# Altium PCB 四层板(完成).PcbDoc (part 3 of 3)
Units mil, origin at the board's own origin, x right, y up, seen from the top; angles counter-clockwise.
Board outline 3790.28 x 1642.89 mil, 4 copper layers (Top Layer, GND, PWR, Bottom Layer), stack 13.98 mil thick; 140 components, 140 nets, 625 pads, 276 vias.
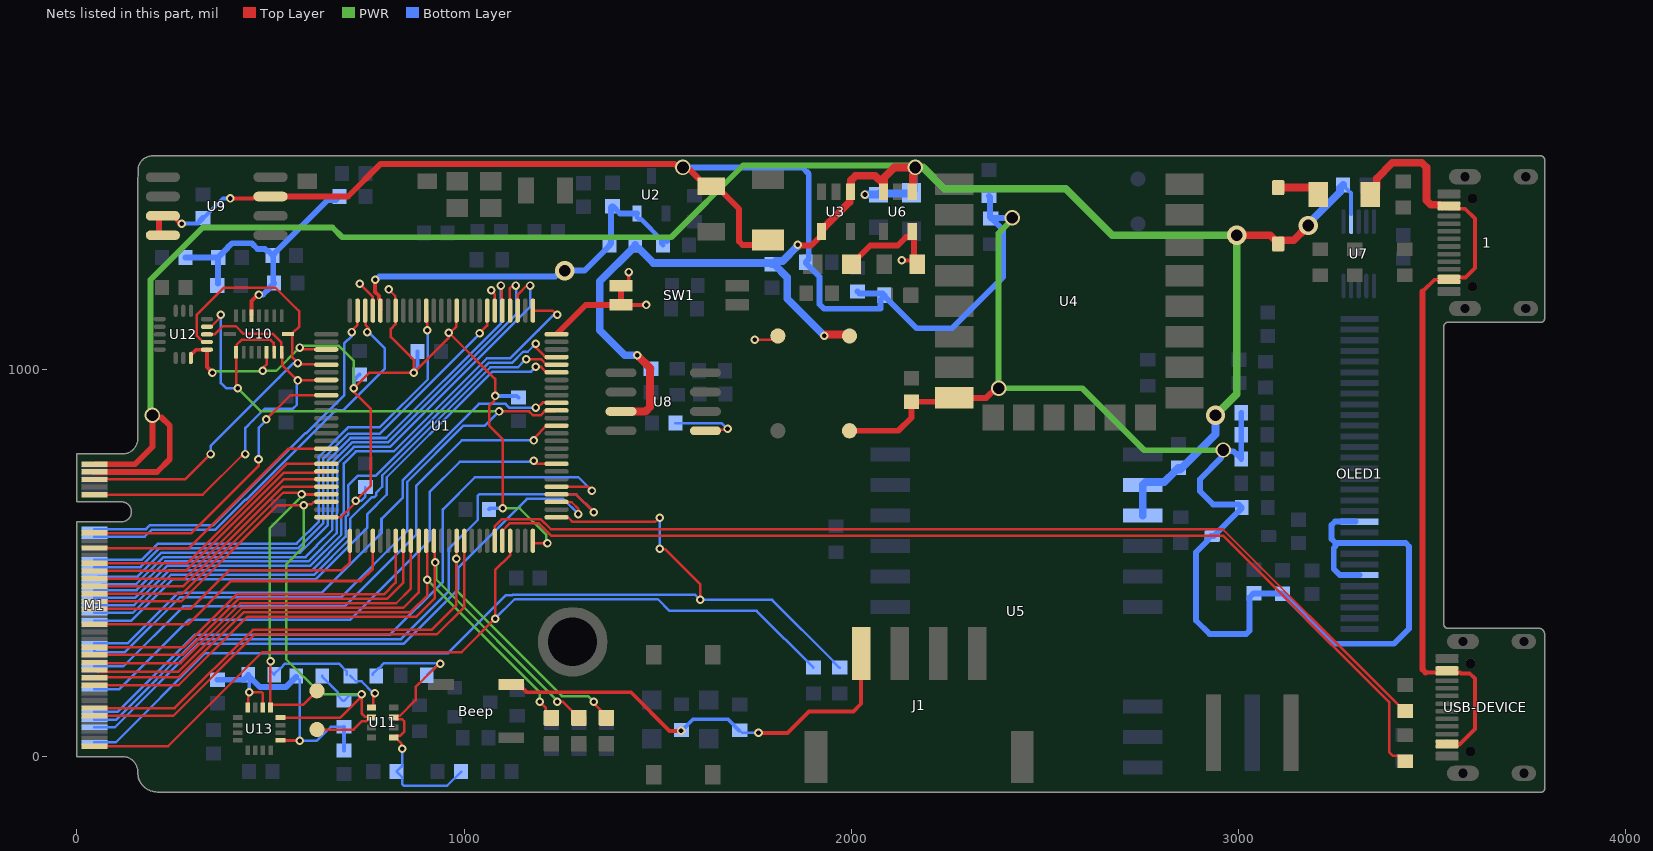
[diagram p5: the nets of this part, all layers, seen from the top]

## Via types
v1: diameter 22, hole 12, Top Layer to Bottom Layer, tented both sides, 195 vias
v2: diameter 22, hole 12, Top Layer to Bottom Layer, 71 vias
v3: diameter 40, hole 30, Top Layer to Bottom Layer, tented both sides, 6 vias
v4: diameter 50, hole 30, Top Layer to Bottom Layer, tented both sides, 4 vias

## Nets (pads, with @x,y where several pads share a name; then routed paths per layer and width w, separated by ;. In a path a pad name is that pad's centre, name@x,y a point inside that pad or via, vN(x,y) a via of type N, cw(c..) or ccw(c..) an arc to the next point about the centre after c; other vN are vias at no path point) (continued)
PB5: M1.28 U1.91 | length 1507.6
  Top Layer w6.5: v2(1185.28,901.44) 1190.28,901.44 1203.49,914.65 1237.77,914.65 U1.91@1238.78,913.63
  Bottom Layer w6.5: M1.28@45.28,292.49 130.66,292.49 261.11,422.94 631.78,422.94 786.78,577.94 786.78,614.15 841.78,669.15 841.78,714.1 994.14,866.46 1038.37,910.69 1107.4,910.69 1117.57,900.51 1184.35,900.51 v2(1185.28,901.44)
PB8: M1.34 U1.95 | length 1517.4
  Top Layer w6.5: v2(1185.28,1006.44) 1198.78,1006.44 1212.85,992.37 U1.95@1238.78,992.37
  Bottom Layer w6.5: M1.34@45.28,351.54 140.92,351.54 247.32,457.94 616.78,457.94 750.28,591.44 750.28,626.44 800.28,676.44 800.28,721.39 1018.16,939.27 1072.92,994.02 1172.86,994.02 v2(1185.28,1006.44)
PB9: M1.36 U1.96 | length 1521.6
  Top Layer w6.5: v2(1160.36,1026.36) 1198.55,1026.36 1212.86,1012.05 U1.96@1238.78,1012.05
  Bottom Layer w6.5: M1.36@45.28,371.23 144.34,371.23 242.55,469.44 612.02,469.44 706.03,563.45 706.03,614.41 761.18,669.57 767.99,669.57 772.82,674.4 772.82,681.2 788.78,697.16 788.78,726.15 1068.15,1005.52 1139.36,1005.52 1157.59,1023.75 1157.74,1023.75 v2(1160.36,1026.36)
PB12: M1.37 U1.51 | length 765.7
  Top Layer w6.5: M1.37@45.28,381.13 45.59,381.44 293.91,381.44 393.91,481.44 685.28,481.44 705.32,501.48 U1.51@705.32,557.33
PB15: M1.33 U1.54 | length 851
  Top Layer w6.5: M1.33@45.28,341.76 286.76,341.76 398.56,453.56 733.08,453.56 764.53,485.01 764.53,557.17 U1.54@764.37,557.33
PC0: M1.50 U1.15 | length 1330.8
  Top Layer w6.5: U1.15@902.17,1151.81 905.28,1148.7 v2(905.28,1101.44)
  Bottom Layer w6.5: M1.50@45.28,509.02 168.29,509.02 209.21,549.94 567.52,549.94 625.28,607.7 625.28,774.41 696.68,845.81 701.8,850.92 782.84,850.92 906.52,974.61 906.52,1100.2 v2(905.28,1101.44)
PC5: M1.57 U1.34 | length 806.9
  Top Layer w6.5: M1.57@45.28,577.98 46.82,576.44 295.28,576.44 469.61,750.77 469.61,767.11 v1(469.17,767.55) ; v2(488.78,870.69) 551.4,933.31 U1.34@644.3,933.31
  Bottom Layer w6.5: v1(469.17,767.55) 470.28,768.66 470.28,849.44 488.78,867.94 v2(488.78,870.69)
PC8: G.1 M1.11 U1.65 | length 1824.7
  Top Layer w6.5: M1.11@45.28,125.22 252.74,125.22 454.58,327.06 915.54,327.06 980.28,391.8 980.28,506.44 980.6,506.76 980.6,510.57 v2(980.28,510.89) ; v2@980.6,510.89 980.6,557.01 U1.65@980.91,557.33 ; v1(1335.28,141.44) 1335.28,137.52 1370.28,102.52 G.1@1367.67,99.91
  PWR w6.5: v2(980.28,510.89) 980.28,428.66 1252.5,156.44 1320.28,156.44 v1(1335.28,141.44)
PC9: M1.9 U1.66 | length 1242.4
  Top Layer w6.5: M1.9@45.28,105.54 249.36,105.57 459.35,315.56 929.4,315.56 1000.6,386.76 U1.66@1000.6,557.33
PC10: M1.6 U1.78 | length 1620.6
  Top Layer w6.5: U1.78@1238.78,657.72 1239.55,656.95 1278.09,656.95 1295.28,639.76 v2(1295.28,626.44)
  Bottom Layer w6.5: M1.6@45.28,75.95 98.53,75.95 314.52,291.94 844.52,291.94 985.28,432.7 985.28,488.66 1162.31,665.69 1256.03,665.69 v2(1295.28,626.44)
PC11: M1.8 U1.79 | length 1766.1
  Top Layer w6.5: U1.79@1238.78,677.4 1289.32,677.4 v2(1335.28,631.44)
  Bottom Layer w6.5: M1.8@45.28,95.64 101.95,95.64 309.75,303.44 837.28,303.44 961.03,427.19 961.03,537.19 1035.28,611.44 1035.28,673.38 1039.09,677.19 1289.53,677.19 v2(1335.28,631.44)
PC12: M1.10 U1.80 | length 1756.1
  Top Layer w6.5: U1.80@1238.78,697.09 1319.63,697.09 v2(1330.28,686.44)
  Bottom Layer w6.5: M1.10@45.28,115.32 105.37,115.32 304.99,314.94 808.78,314.94 945.28,451.44 945.28,638.66 1028.06,721.44 1295.28,721.44 v2(1330.28,686.44)
PC13: M1.48 U1.7 | length 1410.1
  Top Layer w6.5: v2(1040,1093.41) 1040,1093.62 1059.65,1113.27 U1.7@1059.65,1151.81
  Bottom Layer w6.5: M1.48@45.28,489.34 164.87,489.34 213.97,538.44 556.02,538.44 572.28,538.44 636.78,602.94 636.78,769.64 701.45,834.31 782.49,834.31 1040,1091.82 v2(1040,1093.41)
PD2: M1.16 U1.83 | length 1515.6
  Top Layer w6.5: v2(1180.28,763.69) 1180.28,760.69 1184.4,756.57 1238.35,756.57 U1.83@1238.78,756.14
  Bottom Layer w6.5: M1.16@45.28,174.38 110.13,174.38 288.69,352.94 705.32,352.94 910.78,558.4 910.78,683.2 989.02,761.44 1178.03,761.44 v2(1180.28,763.69)
PD7: M1.22 U1.88 | length 1527.9
  Top Layer w6.5: v2(1180.28,816.44) 1180.28,821.99 1212.86,854.57 U1.88@1238.78,854.57
  Bottom Layer w6.5: M1.22@45.28,233.43 120.39,233.43 274.95,387.99 691.58,387.99 876.28,572.69 876.28,698.7 994.02,816.44 v2(1180.28,816.44)
PD10: M1.27 U1.57 | length 955
  Top Layer w6.5: M1.27@45.28,282.7 276.49,282.7 412.85,419.06 792.9,419.06 823.43,449.59 U1.57@823.43,557.33
PD11: M1.25 U1.58 | length 983
  Top Layer w6.5: M1.25@45.28,263.02 273.07,263.02 417.61,407.56 801.4,407.56 843.11,449.27 U1.58@843.11,557.33
PD14: M1.19 R.1 U1.61 | length 1579.4
  Top Layer w6.5: M1.19@45.28,203.96 46.58,205.26 264.1,205.26 431.9,373.06 861.9,373.06 905.28,416.44 v2(905.28,456.44) 905.28,527.2 902.17,530.3 U1.61@902.17,557.33 ; v1(1195.28,141.44) 1211.32,125.4 1211.32,114.29 R.1@1225.7,99.91
  PWR w6.5: v2(905.28,456.44) 1195.28,166.44 v1(1195.28,141.44)
PD15: M1.17 U1.62 Y.1 | length 1685.6
  Top Layer w6.5: M1.17@45.28,184.28 263.01,184.28 440.29,361.56 876.66,361.56 924.53,409.43 924.53,501.44 924.53,554.65 U1.62@921.85,557.33 ; v1(1240.28,141.44) 1255.14,141.44 Y.1@1296.67,99.91
  PWR w6.5: v2(925.28,501.44) 928.1,498.62 928.1,457.36 1240.28,145.18 v1(1240.28,141.44)
PE0: M1.38 U1.97 | length 1567.6
  Top Layer w6.5: v2(1185.28,1066.44) 1185.28,1056.38 1207.27,1034.4 1209.1,1034.4 1211.76,1031.74 U1.97@1238.78,1031.74
  Bottom Layer w6.5: M1.38@45.28,390.91 147.76,390.91 237.79,480.94 607.25,480.94 694.28,567.97 694.28,618.93 701.03,625.68 701.03,701.14 725.09,725.2 771.56,725.2 1063.39,1017.02 1123.79,1017.02 1152.38,1045.61 1164.45,1045.61 v2(1185.28,1066.44)
PE2: M1.40 U1.1 | length 1668.7
  Top Layer w6.5: U1.1@1177.76,1151.81 1228.72,1151.81 1239.09,1141.44 v2(1240.28,1141.44)
  Bottom Layer w6.5: M1.40@45.28,410.6 151.19,410.6 233.03,492.44 602.49,492.44 682.78,572.73 682.78,623.69 689.53,630.44 689.53,757.34 720.5,788.31 818.41,788.31 1058.63,1028.52 1119.03,1028.52 1191.95,1101.44 1192.5,1101.44 1232.5,1141.44 v2(1240.28,1141.44)
PE4: M1.42 U1.3 | length 1670.5
  Top Layer w6.5: U1.3@1138.39,1151.81 1138.77,1152.18 1138.77,1193.06 1163.12,1217.41 1169.37,1217.41 v2(1170.28,1216.5)
  Bottom Layer w6.5: M1.42@45.3,430.22 154.54,430.22 228.26,503.94 597.73,503.94 671.28,577.49 671.28,628.45 672.27,629.45 672.27,756.35 715.74,799.81 808.65,799.81 1170.28,1161.44 v2(1170.28,1216.5)
PE5: M1.44 U1.4 | length 1612.9
  Top Layer w6.5: U1.4@1118.71,1151.81 1117.7,1152.83 1117.7,1208.86 1117.78,1208.86 1125.96,1217.04 1132.58,1217.04 v2(1133.12,1216.5)
  Bottom Layer w6.5: M1.44@65.28,445.16 153.22,445.16 223.5,515.44 590.54,515.44 620.03,544.93 620.03,546.19 659.78,585.94 659.78,633.22 660.28,633.72 660.28,760.62 710.97,811.31 803.89,811.31 1135.28,1142.7 1135.28,1214.34 v2(1133.12,1216.5)
PE6: M1.46 U1.5 | length 1572.3
  Top Layer w6.5: v2(1095.28,1216.5) 1097.89,1213.89 1097.89,1152.95 U1.5@1099.02,1151.81
  Bottom Layer w6.5: M1.46@55.28,464.91 156.71,464.91 218.74,526.94 577.04,526.94 648.28,598.18 648.28,764.88 706.21,822.81 799.12,822.81 1095.28,1118.97 v2(1095.28,1216.5)
PE10: M1.53 U1.41 | length 705.4
  Top Layer w6.5: M1.53@45.28,538.61 289.98,538.61 546.88,795.51 U1.41@644.3,795.51
PE12: M1.49 U1.43 | length 705.4
  Top Layer w6.5: M1.49@45.28,499.24 284.34,499.24 541.24,756.14 U1.43@644.3,756.14
PE15: M1.43 U1.46 | length 705.4
  Top Layer w6.5: M1.43@45.28,440.18 275.28,440.18 531.54,696.44 643.65,696.44 U1.46@644.3,697.09
RB_ENCODE1_TIM5_CH1: M1.56 U1.23 | length 1104.6
  Top Layer w6.5: U1.23@744.69,1151.81 745.71,1150.79 745.71,1114.45 753.72,1106.44 750.28,1103 v2(750.28,1096.44)
  Bottom Layer w6.5: M1.56@45.28,568.08 175.39,568.08 192.87,585.57 356.88,585.57 434.5,663.19 437.03,663.19 668.11,894.27 687.16,894.27 795.28,1002.39 795.28,1054 752.84,1096.44 v2(750.28,1096.44)
RB_ENCODE2_TIM5_CH2: M1.58 U1.24 | length 1021.2
  Top Layer w6.5: v2(710.28,1096.44) 710.28,1099.88 723.99,1113.59 723.99,1150.79 U1.24@725,1151.81
  Bottom Layer w6.5: M1.58@45.28,587.76 178.81,587.76 188.11,597.07 352.11,597.07 590.74,835.69 593.02,835.69 690.28,932.95 690.28,1066.44 710.28,1086.44 v2(710.28,1096.44)
RB_WHELL_SPEED_TIM1_CH4: M1.45 U1.45 | length 705.4
  Top Layer w6.5: M1.45@45.28,459.87 278.71,459.87 535.28,716.44 643.97,716.44 U1.45@644.3,716.77
RF_ENCODE1_TIM4_CH1: M1.23 U1.59 | length 1021.4
  Top Layer w6.5: M1.23@45.28,243.33 47.17,241.44 267.75,241.44 422.37,396.06 824.9,396.06 862.8,433.96 U1.59@862.8,557.33
RF_ENCODE2_TIM4_CH2: M1.21 U1.60 | length 1045.7
  Top Layer w6.5: M1.21@55.28,218.9 261.48,218.9 427.14,384.56 843.4,384.56 882.48,423.64 U1.60@882.48,557.33
RF_WHELL_SPEED_TIM1_CH3: M1.47 U1.44 | length 705.4
  Top Layer w6.5: M1.47@45.28,479.55 280.92,479.55 534.58,733.21 641.05,733.21 U1.44@644.3,736.46
SENSOR_I2C2_SCL: IIC2-CL.1 M1.41 R41.2 R42.2 U1.47 U11.4 U13.1 | length 1813.1
  Top Layer w6.5: M1.41@45.28,420.5 271.87,420.5 532.81,681.44 576.47,681.44 576.47,681 v2(580.28,677.19) ; U13.1@499.14,133.57 499.14,245.3 v1(500.28,246.44) ; U13.1@500.2,126.68 500.2,133.57 583.57,133.57 IIC2-CL.1@622.29,172.29 ; v2@582.4,679.32 584.8,676.92 643.82,676.92 U1.47@644.3,677.4 ; U11.4@761.34,126.66 765.1,130.42 765.1,155.9 770,160.81 770,165 v1@771.42,165
  PWR w6.5: v1@498.9,250.31 497.77,251.44 497.77,588.93 580.28,671.44 v2(580.28,677.19)
  Bottom Layer w6.5: v1@498.9,249.94 498.9,222.27 R42.2@509.51,211.67 509.51,213.63 523.98,228.1 525.95,228.1 537.84,240 676.92,240 696.96,219.96 R41.2@696.96,211.65 ; R41.2@706.46,208.49 720.27,194.68 735.32,194.68 766.5,163.5 v1(769.92,163.5)
SENSOR_I2C2_SDA: IIC2-DA.1 M1.39 R40.2 R43.2 U1.48 U11.3 U13.16 | length 1983.7
  Top Layer w6.5: M1.39@45.28,400.81 269.65,400.81 518.25,649.41 568.03,649.41 568.08,649.45 v2(586.07,649.45) ; U13.16@525.85,101.01 526.35,100.5 619.5,100.5 620,100 680,100 729.94,149.94 729.94,151.57 733.59,155.21 v1@735.21,155.21 ; v2@587.25,646.44 592.25,651.44 605.28,651.44 610.57,656.73 643.31,656.73 U1.48@644.3,657.72 ; IIC2-DA.1@620,70 715,70 736.61,91.61 747.95,91.61 757.4,101.06 U11.3@761.34,101.06 759.06,103.35 743.59,103.35 739.09,107.84 735.28,111.65 735.28,135.21 v1@735.28,155.21 ; 735.21,135.21 v1@735.21,155.21 ; v1(735.21,161.02) v1@735.21,155.21
  PWR w6.5: v2(586.07,649.45) 586.07,542.23 540.28,496.44 540.28,251.44 630.28,161.44 734.79,161.44 v1(735.21,161.02)
  Bottom Layer w6.5: R43.2@633.58,208.51 633.58,206.54 673.38,166.74 673.38,158.61 687.85,144.14 R40.2@689.82,144.14 704.28,158.61 732.79,158.61 v1(735.21,161.02)
SENSOR_SPI1_MISO: M1.26 U1.90 U10.10 U10.15 U12.4 | length 2752.6
  Top Layer w6.5: U12.4@335.99,1110.11 346.23,1110.11 369.12,1133 369.12,1137.73 v1(372.08,1140.69) ; v1(415.28,951.44) 415.28,955.63 411.31,959.6 U10.15@411.31,1044.2 412.98,1045.87 412.98,1064.14 425.28,1076.44 500.28,1076.44 508.06,1068.66 U10.10@508.06,1045.87 ; v2(1090.28,891.44) 1168.06,891.44 1177.31,882.19 1198.25,882.19 1207.5,891.44 1236.28,891.44 U1.90@1238.78,893.94
  PWR w6.5: v1(415.28,951.44) 475.28,891.44 v2(1090.28,891.44)
  Bottom Layer w6.5: M1.26@45.28,272.8 48.14,269.94 124.37,269.94 265.87,411.44 682.5,411.44 853.28,582.22 853.28,709.33 998.9,854.96 1053.8,854.96 v2(1090.28,891.44) ; v1(372.08,1140.69) 372.08,964.64 385.28,951.44 v1(415.28,951.44)
SENSOR_SPI1_MOSI: M1.67 U1.32 U10.9 U12.3 | length 1130.2
  Top Layer w6.5: M1.67@45.28,676.4 325.24,676.4 424.61,775.77 425.41,775.77 431.09,781.44 v1(435.28,781.44) ; U12.3@335.99,1090.42 356,1090.42 364.19,1098.61 377.02,1111.44 410.88,1111.44 430.88,1091.44 506.54,1091.44 528.29,1069.7 528.29,1045.33 U10.9@529.42,1044.2 ; U10.9@530.28,1044.2 530.28,1011.44 v1(570.28,971.44) 570.9,972.06 643.68,972.06 U1.32@644.3,972.68
  Bottom Layer w6.5: v1(435.28,781.44) 435.28,848.66 455.28,868.66 485.31,898.69 558.13,898.69 568.21,908.76 568.21,969.37 v1(570.28,971.44)
SENSOR_SPI1_SCK: M1.71 U1.30 U10.8 U12.2 | length 1294.8
  Top Layer w6.5: M1.71@45.28,715.77 279.61,715.77 v1(345.28,781.44) ; U12.2@334.29,1072.22 324.28,1072.22 310.21,1086.29 310.21,1141.37 380.28,1211.44 512.43,1211.44 565.28,1158.59 574.53,1149.34 574.53,1111.24 558.17,1094.88 558.17,1093.11 556.5,1091.44 U10.8@554.73,1091.44 ; U10.8@545.67,1091.44 556.03,1091.44 556.03,1031.53 570.28,1017.28 v1(570.28,1016.44) ; v1@573.8,1013.07 605.18,1013.07 643.29,1013.07 U1.30@644.3,1012.05
  Bottom Layer w6.5: v1(345.28,781.44) 345.28,801.69 522.53,978.94 560.03,1016.44 v1(570.28,1016.44)
SWCLK: M1.2 R11.1 U1.76 | length 2697.6
  Top Layer w6.5: U1.76@1238.78,618.35 1265.81,618.35 1268.47,615.69 1270.79,615.69 1280.04,606.44 1493.72,606.44 1503.72,616.44 v2(1505.28,616.44) ; v1(1505.28,537.19) 1507.19,535.28 1519.72,535.28 1610,445 v1(1610,405)
  Bottom Layer w6.5: M1.2@45.27,36.61 100.45,36.61 331.03,267.19 958.81,267.19 1108.55,416.94 1124.52,416.94 1125.52,417.94 1597.06,417.94 v1(1610,405) ; v1(1505.28,537.19) v2(1505.28,616.44) ; v1@1612.15,405 1795.2,405 1953.85,246.35 1953.85,244.38 1968.32,229.91 R11.1@1970.29,229.91
SWDIO: M1.1 R12.1 U1.72 | length 2304.1
  Top Layer w6.5: M1.1@45.27,26.77 235.61,26.77 478.4,269.56 993.4,269.56 v2(1080.28,356.44) 1080.28,481.44 1118.71,519.87 U1.72@1118.71,557.33
  Bottom Layer w6.5: v2(1080.28,356.44) 1130.28,406.44 1500.28,406.44 1530.28,376.44 1755.64,376.44 R12.1@1902.17,229.91
USB_OTG_FS_DM: R22.1 U1.70 | length 2601.9
  Top Layer w6.5: U1.70@1079.34,557.33 1079.34,595.5 1097.42,613.58 1197.89,613.58 1224.28,587.19 2959.1,587.19 3401.78,144.51 3428.32,117.97 R22.1@3430.29,117.97
USB_OTG_FS_DP: R21.1 U1.71 | length 2695.5
  Top Layer w6.5: U1.71@1099.02,557.33 1099.02,583.25 1117.85,602.08 1193.13,602.08 1224.52,570.69 2959.33,570.69 3388.5,141.52 3388.5,11.5 3397.57,2.43 3415.82,2.43 R21.1@3430.29,-12.03
VBUS: 1.A4 1.A9 1.B4 1.B9 F1.1 USB-DEVICE.A4 USB-DEVICE.A9 USB-DEVICE.B4 USB-DEVICE.B9 | length 2042.4
  Top Layer w10: 3475.28,1201.09 3505.63,1231.44 1.A4@3530.28,1231.44 ; 3482.98,217.02 USB-DEVICE.B4@3538.31,217.02 ; USB-DEVICE.A4@3538.31,26.82 USB-DEVICE.B9@3538.31,38.63 ; USB-DEVICE.A9@3538.31,227.61 USB-DEVICE.B4@3538.31,217.02 ; 1.A4@3543.31,1226.82 1.B9@3543.31,1237.41 ; 1.B9@3543.31,1238.63 1.B9@3543.31,1237.41 ; 1.B4@3543.31,1415.8 3544.22,1414.89 3585.11,1414.89 3610.28,1389.72 3610.28,1261.44 3586.25,1237.41 1.B9@3543.31,1237.41 ; USB-DEVICE.A4@3550.28,31.44 3570.28,31.44 3610.28,71.44 3610.28,201.44 3597.08,214.64 3574.7,214.64 3572.33,217.02 USB-DEVICE.B4@3538.31,217.02
  Top Layer w15: 3475.28,1201.09 3475.28,224.72 3482.98,217.02
  Top Layer w20: F1.1@3340.28,1451.44 3356.6,1467.76 3356.6,1492.76 3397.25,1533.41 3473.28,1533.41 3485,1521.69 3485,1436.72 3496.72,1425 3520,1425 1.B4@3525,1420
VCC_3V3_DC-DC: C20.1 C26.2 C27.2 C33.1 C34.2 C35.2 D1.2 L3.2 OLED1.6 OLED1.9 OLED1.11 P-3.3.1 R14.1 R15.1 R19.1 R26.2 R27.2 R30.2 R35.1 R36.1 U4.8 U9.3 U9.7 U9.8 | length 7221.5
  Top Layer w10: U9.7@246.46,1396.44 v1@266.46,1376.44 ; v1(396.3,1441.44) 455.13,1441.44 457.3,1443.61 497.45,1443.61 U9.3@500.28,1446.44
  Top Layer w15: U9.8@212.32,1346.44 212.32,1396.44 U9.7@222.32,1396.44 U9.7@246.46,1396.44 ; v1@266.46,1376.44 v1(271.3,1376.44) ; U9.3@504.26,1446.44 700.28,1446.44 783.84,1530 1543.99,1530 1547.77,1526.22 1560.5,1526.22 1570.06,1516.66 1581.64,1516.66 1625.48,1472.82 C27.2@1638.67,1472.82 1651.86,1472.82 1666.61,1458.07 1710.28,1414.4 1710.28,1330.23 1719.07,1321.44 1782.04,1321.44 L3.2@1794.6,1334 ; P-3.3.1@1995.27,841.44 2121.44,841.44 2155.28,875.28 C20.1@2155.28,916.44 2255.73,916.44 U4.8@2265.77,926.48 2348.56,926.48 2373.52,951.44 v3(2380.28,951.44)
  PWR w15: v3@2423.35,1394.51 2380.28,1351.44 v3(2380.28,951.44) 2596.16,951.44 2756.16,791.44 v3@2965.28,791.44
  Bottom Layer w6.5: C33.1@312.63,1376.44 C33.1@326.14,1389.95
  Bottom Layer w10: v1(271.3,1376.44) C33.1@312.63,1376.44 ; C33.1@326.14,1389.95 377.63,1441.44 v1@395.28,1441.44
  Bottom Layer w15: C33.1@317.67,1383.2 C33.1@325.28,1390.81 ; v3(1565.28,1521.44) 1873.77,1521.44 1890.28,1504.93 1890.28,1284.17 R19.1@1882.56,1276.45 1882.56,1274.48 1917.79,1239.25 1917.79,1168.06 1929.41,1156.44 2075.28,1156.44 2075.28,1179.47 R26.2@2085.28,1189.47 ; C26.2@2016.03,1201.12 2020.87,1196.28 2080.44,1196.28 R26.2@2085.28,1191.44 R26.2@2085.28,1189.47 ; R14.1@2355.27,1447.97 2357.77,1445.47 2357.77,1393.95 R15.1@2360.28,1391.44 ; v3(2415.28,1391.85) 2414.31,1390.88 2361.26,1390.88 R15.1@2360.29,1389.91 2362.26,1389.91 2392.48,1359.69 2392.48,1238.64 2260.28,1106.44 2168.31,1106.44 R26.2@2085.28,1189.47 ; v3(2960.28,791.85) 2955.5,787.07 2955.5,771.66 2900.28,716.44 2900.28,685.23 2934.07,651.44 2999.91,651.44 R30.2@3008.17,643.18 3008.17,641.21 2997.95,631 2997.36,631 2935.9,569.53 D1.2@2931.96,569.53 2928.02,569.53 2919.77,561.28 2919.77,557.34 2890.28,527.85 2890.28,351.44 2925.28,316.44 3019.65,316.44 3028.43,325.23 3028.43,411.25 3039.24,422.06 C35.2@3040.23,422.06 3040.83,421.45 3113.19,421.45 C34.2@3113.79,420.85 3114.78,420.85 3244.18,291.44 3401.49,291.44 3440.28,330.23 3440.28,542.77 3431.49,551.55 OLED1.9@3312.57,551.55 ; v3@2965.69,791.85 2969.02,788.52 2987.05,788.52 2994.58,780.99 2996.55,780.99 3006.77,770.77 R27.2@3006.77,768.81 ; R27.2@3006.77,768.81 R35.1@3006.81,831.45 R36.1@3006.77,887.86 ; OLED1.11@3301.63,607 3249.07,607 3240.28,598.22 3240.28,562.03 3250.35,551.96 ; OLED1.6@3312.5,468.85 3312.15,469.2 3261.38,469.2 3245.8,484.79 3245.8,539.05 3250.35,543.6 3250.35,551.96 ; OLED1.9@3312.5,551.55 OLED1.9@3312.57,551.55 ; 3250.35,551.96 3250.4,551.9 3312.22,551.9 OLED1.9@3312.57,551.55
VCC_3V3_IC: Beep.1 C4.1 C6.1 C7.1 C8.1 C9.1 C24.2 C25.2 C32.2 C36.1 C42.1 C43.1 C44.1 C45.1 C46.1 C47.1 C48.1 C50.2 J1.1 P3.3IC.1 R2.2 R4.2 R5.2 R39.1 R40.1 R41.1 R42.1 R43.1 SW1.3 SW1.4 U1.6 U1.11 U1.19 U1.22 U1.28 U1.50 U1.75 U1.100 U6.5 U8.5 U10.3 U10.11 U11.6 U11.8 U12.1 U12.16 U13.2 U13.4 U13.13 | length 7356.5
  Top Layer w6.5: U13.4@441.15,126.68 443.21,128.74 443.21,164.38 v1(445.28,166.44) 476.71,166.44 480.52,162.63 U13.2@480.52,126.68 ; v1(480.28,996.44) 483.25,999.41 483.25,1006.24 490,1013 490,1044.15 U10.11@490.05,1044.2 ; U13.13@525.85,41.96 526.11,41.7 575.02,41.7 v1(575.28,41.44) ; v2(575.28,1056.44) 579.47,1056.44 583.99,1051.93 643.8,1051.93 U1.28@644.3,1051.42 ; U1.50@644.3,618.35 682.84,618.35 720.28,655.79 v2(720.28,661.11) 759.53,700.36 759.53,897.19 715.28,941.44 v2(715.28,951.44) 755.28,991.44 v2(870.28,991.44) ; v2(730.28,1221.44) 764.37,1187.35 U1.22@764.37,1151.81 ; v2(805.28,1206.44) 822.9,1188.82 822.9,1152.34 U1.19@823.43,1151.81 823.43,1116.82 811.03,1104.41 811.03,1083.47 870.28,1024.22 v2(870.28,991.44) ; U11.8@818.42,49.88 822.36,49.88 837.95,34.29 837.95,22.05 v1(840,20) ; U11.6@818.42,101.06 822.75,96.74 U11.6@825.58,96.74 ; U11.8@820.39,51.85 822.9,54.36 835.72,54.36 845.28,63.92 845.28,91.44 839.98,96.74 U11.6@825.58,96.74 ; v1(938.83,239.77) 935.09,239.77 898.96,203.64 875,179.68 875,146.16 834.4,105.56 826.98,105.56 825.58,104.16 U11.6@825.58,96.74 ; v2@962.96,1092.96 1080.28,975.63 v2(1080.28,931.44) 1077.31,928.47 1077.31,918.47 1065.28,906.44 1065.28,854.22 1100.28,819.22 v2(1100.28,641.44) ; U1.11@980.91,1151.81 980,1150.9 980,1110.81 964.19,1095 v2(960,1095) 960,1092.96 960,1081.16 v2(870.28,991.44) ; v2(1070.53,1204.47) 1070.53,1201.87 1079.34,1193.06 U1.6@1079.34,1125.88 ; U1.75@1177.76,557.33 1177.76,553.89 1180.22,551.44 v2(1215.28,551.44) ; U8.5@1623.29,841.42 1625.8,843.93 1677.77,843.93 v1(1680.28,846.44) ; v1(1750.28,1076.44) P3.3IC.1@1820.28,1076.44
  Top Layer w10: U12.16@295.12,1038.61 295.12,1039.83 296.35,1039.83 307.37,1050.86 335.8,1050.86 U12.1@335.99,1051.05 335.99,1005.73 v1(350.28,991.44) ; U10.3@450.68,1138.68 450.76,1138.76 450.76,1176.17 451.01,1176.17 467.03,1192.19 v1(470.28,1192.19) ; Beep.1@1121.78,186.44 1141.46,186.44 1161.46,166.44 1430.28,166.44 1530.28,66.44 v1(1560.28,66.44) ; SW1.4@1405.28,1166.44 v1(1470.28,1166.44) ; SW1.3@1405.28,1216.44 1415.28,1216.44 1425.28,1226.44 v1(1425.28,1251.44) ; v1(1760.28,61.44) 1835.28,61.44 1890.28,116.44 2005.28,116.44 2025.28,136.44 J1.1@2025.28,266.44 ; v1(2130.28,1281.44) C25.2@2155.28,1281.44
  Top Layer w15: U1.100@1242.51,1094.52 1314.43,1166.44 SW1.4@1411.36,1166.44 ; SW1.4@1405.28,1166.44 SW1.3@1405.28,1216.44 ; C24.2@2000.28,1271.44 2048.84,1320 2120,1320 2142.07,1342.07 2153.13,1342.07 2157.44,1346.38 U6.5@2157.44,1356.22 ; U6.5@2161.76,1346.81 2161.76,1279.97 C25.2@2170.28,1271.44
  PWR w6.5: v1(350.28,991.44) 354.53,995.69 479.53,995.69 v1(480.28,996.44) 515.28,996.44 v2(575.28,1056.44) 579.47,1056.44 584.47,1061.44 675.28,1061.44 715.28,1021.44 v2(715.28,951.44) ; v2(1100.28,641.44) 1143.56,641.44 1212.31,572.69 1212.31,554.41 v2(1215.28,551.44)
  Bottom Layer w6.5: R42.1@442.58,211.67 445.28,208.97 R42.1@445.28,207 ; R43.1@566.65,206.54 575.28,197.91 v1(575.28,41.44) 620.18,41.44 655.95,77.21 R40.1@689.82,77.21 R40.1@690.28,76.75 ; v2(720.28,661.11) 734.95,661.11 745.28,671.44 C8.1@745.28,696.12 ; R41.1@763.89,211.65 763.89,213.61 778.35,228.08 780.32,228.08 793.68,241.44 924.69,241.44 ; v1(840,20) 840,-24.47 C42.1@825.91,-38.56 840,-52.65 840,-71.19 843.81,-75 956.64,-75 992.09,-39.54 C36.1@992.09,-38.56 ; R39.1@903.47,209.99 933.25,239.77 v1(938.83,239.77) ; C32.2@1545.6,861.44 1665.28,861.44 v1(1680.28,846.44) ; R2.2@1561.78,68.72 R2.2@1563.74,68.72 ; R4.2@1709.82,67.98 R4.2@1711.79,67.98 1718.33,61.44 v1(1760.28,61.44)
  Bottom Layer w10: v1(445.28,166.44) R42.1@445.28,207 ; C43.1@690.28,15.7 R40.1@690.28,76.75 ; v2(715.28,951.44) 715.28,972.64 729.43,986.79 C7.1@730.42,986.79 ; v2(870.28,991.44) 870.28,994.69 879.96,1004.37 C6.1@879.96,1046.44 ; C9.1@1064.23,638.69 1066.97,641.44 v2(1100.28,641.44) ; v2(1080.28,931.44) 1135.91,931.44 C4.1@1140.28,927.07 ; R2.2@1563.74,68.72 1591.46,96.44 1681.36,96.44 R4.2@1709.82,67.98
  Bottom Layer w15: C46.1@280.34,1288.92 C45.1@365.41,1288.91 ; C50.2@362.85,198.57 431.46,198.57 442.58,209.7 R42.1@442.58,211.67 ; C47.1@364.94,1220.99 364.94,1288.44 C45.1@365.41,1288.91 365.41,1289.9 389.88,1314.37 389.88,1315.1 400.49,1325.71 451.6,1325.71 466.26,1311.05 486.05,1311.05 491.25,1305.85 494.84,1305.85 C48.1@505.64,1295.04 ; R42.1@445.28,207 472.8,179.48 539.59,179.48 R43.1@566.65,206.54 ; v1(470.28,1192.19) 471.62,1193.53 480.55,1193.53 498.01,1210.99 508.82,1221.8 C44.1@508.82,1222.78 507.23,1224.37 507.23,1292.47 C48.1@505.64,1294.06 C48.1@505.64,1295.04 ; R5.2@678.35,1446.44 669.4,1437.49 648.09,1437.49 516.45,1305.85 C48.1@505.64,1295.04
VCC_5: C19.1 C21.2 C22.2 C23.2 C29.2 C30.2 D2.2 M1.73 M1.75 P-5V.1 R9.1 U3.1 U3.4 U5.7 U5.8 U6.1 U6.3 U7.7 U8.3 | length 7414.6
  Top Layer w6.5: M1.73@45.28,735.46 M1.73@45.74,735
  Top Layer w15: M1.75@45.28,755.14 150.14,755.14 195.28,800.28 v3(195.28,881.44) 200.06,876.66 218.34,876.66 240,855 240,767.78 207.22,735 M1.73@45.74,735 ; v1(1861.66,1321.67) 1863.55,1321.67 1865.07,1320.16 1896.42,1320.16 1918.33,1342.07 U3.4@1922.64,1346.38
  Top Layer w20: U8.3@1405.35,891.42 1468.56,891.42 1480.28,903.14 1480.28,1003.56 v1(1447.4,1036.44) ; U3.4@1922.64,1346.38 U3.4@1922.64,1356.22 1922.64,1366.06 1924.45,1367.87 1931.08,1367.87 1963.36,1400.15 1995.63,1432.43 1995.63,1456.77 U3.1@1997.44,1458.58 ; v1(1930.28,1086.44) 1933.99,1090.15 1991.57,1090.15 P-5V.1@1995.27,1086.44 ; U3.1@1997.88,1460.16 1999.25,1461.54 1999.25,1488.28 2010.97,1500 2061.07,1500 2080.83,1480.24 ; U6.3@2082.64,1468.58 2084.45,1470.39 2084.45,1494.74 2111.15,1521.44 v3(2164.87,1521.44) 2161.04,1517.61 2161.04,1503.47 2159.49,1501.92 2159.49,1479.95 2159.26,1479.72 2159.26,1460.39 U6.1@2157.44,1458.58 ; v4(2995.28,1346.44) 3081.77,1346.44 3094.77,1333.45 3096.62,1333.45 D2.2@3102.37,1327.7 ; D2.2@3102.37,1323.76 D2.2@3102.37,1327.7 ; v4@3175.28,1366.44 3142.28,1333.45 3108.12,1333.45 D2.2@3102.37,1327.7
  PWR w15: v3(195.28,881.44) 190.5,886.22 190.5,902.51 190.28,902.73 190.28,1231.44 325.28,1366.44 660.28,1366.44 685.28,1341.44 1535.28,1341.44 1720.36,1526.52 v3@2159.79,1526.52
  PWR w20: v3@2159.79,1526.52 v3(2164.87,1521.44) ; v3@2170.28,1516.03 v3(2164.87,1521.44) ; v4(2940.28,881.44) 2995.28,936.44 v4(2995.28,1346.44) 2673.72,1346.44 2553.72,1466.44 2240.28,1466.44 2185.28,1521.44 v3(2164.87,1521.44)
  Bottom Layer w10: C21.2@1795.28,1271.44 C21.2@1800.53,1271.44 ; C29.2@3269.97,1476.44 3269.97,1475.46 3283.27,1462.15 3290.28,1455.14 U7.7@3290.28,1401.44
  Bottom Layer w20: R9.1@1436.5,1313.39 1350.28,1227.17 1350.28,1101.44 1415.28,1036.44 v1(1447.4,1036.44) 1472.95,1010.89 1472.95,1009.91 1481.26,1001.6 C30.2@1482.24,1001.6 ; R9.1@1442.25,1321.1 1442.25,1319.14 1449.96,1311.42 1451.93,1311.42 1488.35,1275 1791.72,1275 C21.2@1795.28,1271.44 ; v1@1860.74,1317.5 1822.98,1279.75 1804.57,1279.75 1800.53,1275.71 1800.53,1271.44 1834.57,1237.4 1834.57,1182.15 v1(1930.28,1086.44) ; v1(2035.28,1451.44) C22.2@2070.28,1451.44 2072.78,1453.94 2152.78,1453.94 C23.2@2155.28,1456.44 2161.04,1462.2 2161.04,1517.61 v3(2164.87,1521.44) ; U5.7@2752.6,622.66 U5.8@2752.6,701.4 2760.31,709.12 2808.27,709.12 2835.99,736.83 2835.99,737.82 C19.1@2844.3,746.13 ; C19.1@2845.28,746.13 C19.1@2844.3,746.13 ; v4(2940.28,881.44) 2940.28,832.74 2848.98,741.44 C19.1@2844.3,746.13 ; v4(3180.28,1371.44) 3180.28,1376.44 3261.66,1457.82 3261.66,1468.13 C29.2@3269.97,1476.44
VCC_5BUS: D2.1 F1.2 | length 112.1
  Top Layer w20: D2.1@3102.37,1469.43 3190.28,1469.43 3205.28,1454.43 F1.2@3205.28,1451.44
VREF: C14.2 R7.1 R9.2 U1.21 U2.2 | length 1027.7
  Top Layer w10: v2(770.28,1231.44) 770.28,1200.18 780.28,1190.18 780.28,1181.68 784.06,1177.89 U1.21@784.06,1151.81
  Bottom Layer w12: U2.2@1446.36,1402.39 1446.36,1393.13 1452.17,1387.32 1457.68,1387.32 1509.59,1335.41 1509.59,1325.26 R7.1@1513.75,1321.1 ; R7.1@1513.75,1331.32 R7.1@1523.97,1331.32
  Bottom Layer w15: v2(770.28,1231.44) 772.17,1231.44 780.73,1240 1235.53,1240 1250.53,1255 1311.19,1255 1375.32,1319.13 R9.2@1375.32,1321.1 1379.06,1324.84 1379.06,1417.39 C14.2@1382.8,1421.12 1383.78,1421.12 1402.52,1402.39 U2.2@1446.36,1402.39 ; R7.1@1523.97,1331.32 R7.1@1523.97,1333.29
  other v4: 1260,1255
pads on no net: 1. 1.A8 1.B8 Beep.3 J1.5 J1.6 OLED1.7 U4.2 U4.4 U4.5 U4.6 U4.7 U4.11 U4.13 U4.14 U4.17 U4.18 U4.19 U4.20 U4.21 U4.22 U5.4 U5.5 U5.13 U5.14 U5.15 U6.4 U7.4 U7.5 U7.6 U10.1 U10.13 U12.7 U13.3 U13.5 U13.6 U13.7 U13.14 U13.15 USB-DEVICE. USB-DEVICE.A8 USB-DEVICE.B8 Y2.2 Y2.4

## Polygon pours and split planes (outlines as drawn)
GND on Top Layer "GND_L01_P019" (solid, remove dead copper, pour order 19): 2650.28,211.44 cw(c2680.28,211.44) 2680.28,241.44 3235.28,241.44 cw(c3235.28,196.44) 3280.28,196.44 3280.28,-43.56 cw(c3240.28,-43.56) 3240.28,-83.56 2700.28,-83.56 cw(c2700.28,-33.56) 2650.28,-33.56
GND on GND "GND-GND" (solid, remove dead copper, pour order 5): 0,606.66 114.17,606.66 ccw(c115.4,632.25) 114.17,657.84 0,657.84 0,781.85 118.11,781.85 ccw(c118.11,821.22) 157.48,821.22 157.48,1496.44 cw(c209.69,1496.44) 209.69,1548.65 209.69,1551.44 270.28,1551.44 3125.28,1551.44 3790.28,1551.44 3790.28,1121.44 3530.28,1121.44 3530.28,331.44 3790.28,331.44 3790.28,-91.45 207.48,-91.45 cw(c207.48,-41.45) 157.48,-41.45 157.48,-39.4 ccw(c118.11,-39.4) 118.11,-0.03 0,-0.03
VCC_3V3_IC on PWR "VCC_3V3_IC_L03_P015" (solid, remove dead copper, pour order 15): 453.21,1185.1 cw(c525.82,1222.34) 497.82,1298.99 2149.07,1301.44 cw(c2149.08,1250.26) 2185.28,1286.44 2185.28,161.44 cw(c2088.15,161.42) 2156.82,92.73 2072.88,8.79 585.28,11.44 555.28,41.44 560.28,251.44 570.28,261.44 1400.28,261.44 ccw(c1400.28,361.44) 1500.28,361.44 1500.28,1031.44 1344.04,1187.68 461.08,1177.24
GND on Bottom Layer "GND_L04_P017" (solid, remove dead copper, pour order 17): 2650.28,211.44 cw(c2680.28,211.44) 2680.28,241.44 3235.28,241.44 cw(c3235.28,196.44) 3280.28,196.44 3280.28,-43.56 cw(c3240.28,-43.56) 3240.28,-83.56 2700.28,-83.56 cw(c2700.28,-33.56) 2650.28,-33.56

## Keep-outs
Keep-Out Layer:
  lines w6.06: 157.48,-41.45 ccw(c207.48,-41.45) 207.48,-91.45 3760.28,-91.45 3782.39,-91.45 ccw(c3782.39,-83.56) 3790.28,-83.56 3790.28,316.44 ccw(c3775.28,316.44) 3775.28,331.44 3770.28,331.44 3540.28,331.44 cw(c3540.28,341.44) 3530.28,341.44 3530.28,1111.44 cw(c3540.28,1111.44) 3540.28,1121.44 3780.28,1121.44 ccw(c3780.28,1131.44) 3790.28,1131.44 3790.28,1541.44 ccw(c3780.28,1541.44) 3780.28,1551.44 3125.28,1551.44 195.28,1551.44 ccw(c195.28,1514.26) 158.1,1514.26 158.1,1498.6 ; 157.48,821.44 157.48,1496.44

## Other copper
GND:
  pour cut-out: 375.28,1036.44 560.28,1036.44 560.28,1126.44 515.28,1126.44 cw(c515.28,1156.44) 485.28,1156.44 ccw(c480.96,1156.44) 480.96,1160.76 375.84,1160.76
  pour cut-out: 220.28,1031.44 cw(c215.28,1031.44) 215.28,1026.44 350.28,1026.44 350.28,1156.44 cw(c355.28,1156.44) 355.28,1161.44 220.28,1161.44
  pour cut-out: 745.28,136.44 745.28,36.44 830.28,36.44 cw(c830.28,31.44) 835.28,31.44 835.28,138.37 ccw(c828.74,138.37) 828.74,144.9 753.74,144.9 ccw(c753.74,141.44) 750.28,141.44
  pour cut-out: 411.68,130.61 411.68,12.5 529.79,12.5 529.79,130.61
PWR:
  pour cut-out: 1415.28,176.44 1386.87,148.03 1201.8,148.03 1088.38,261.44
  pour cut-out: 1441.7,261.44 1441.7,262.12 1463.15,283.57 1437.79,273.25 1430.98,266.44 1431.98,265.45 1431.98,261.44
  pour cut-out: 1430.98,266.44
  pour cut-out: 1165.93,261.44 1250.93,176.44 1415.28,176.44 1415.28,235.02 1441.7,261.44 1168.64,261.44 1164.02,256.82
Bottom Layer:
  pour cut-out: 455.28,1196.44
  pour cut-out: 455.28,1261.44 455.28,1301.44 415.28,1301.44
  pour cut-out: 455.28,1301.44

## Silkscreen, mask and mechanical layers (free items; w line width, h text height)
Top Overlay:
  drawing of 18558 lines, arcs and shapes, not listed
  text "1" at 425.28,1176.44 h39.37
  text "1" at 315.28,981.44 h39.37
  text "X" at 375.28,876.44 h60
  text "陀螺仪" at 215.08,873.88 h39.37 r0.43
  text "Y" at 290.28,806.44 h60
  text "姓名" at 1615.28,632.44 h78.74
  text "Innovation" at 2015,470 h30
  text "Practice Class" at 2011,435 h30
  text "line" at 2701.28,122.44 h35
  text "-" at 1281.28,-45.05 h35
  text "磁力计&气压计" at 175,-65 h39.37
Bottom Overlay:
  text "Made by" at 770,355 h39.37 r0.43
  text "IPC15 李天凯" at 770,300 h39.37 r0.43
Mechanical 15:
  lines w0.1: 2297.77,1441.43 2297.79,1441.45

## Text inside footprints (layer, text, board x,y; h text height)
Beep: Top Overlay "+" at 1093.23,166.61 h30 r180; Top Overlay "-" at 1003.23,168.03 h30 r180
OLED1: Bottom Overlay "OLED_128X64" at 3883.2,246.83 h19.68 r270; Bottom Overlay "1" at 3414.22,325.38 h19.68 r270; Bottom Overlay "30" at 3414.22,1110.38 h19.68 r270
SW1: Top Overlay "ON" at 1497.74,1162.23 h30; Top Overlay "ON" at 1497.74,1212.23 h30
U5: Bottom Overlay "LORA-02" at 2711.34,310.38 h19.68